# KiCad board Mainboard.kicad_pcb (continued)
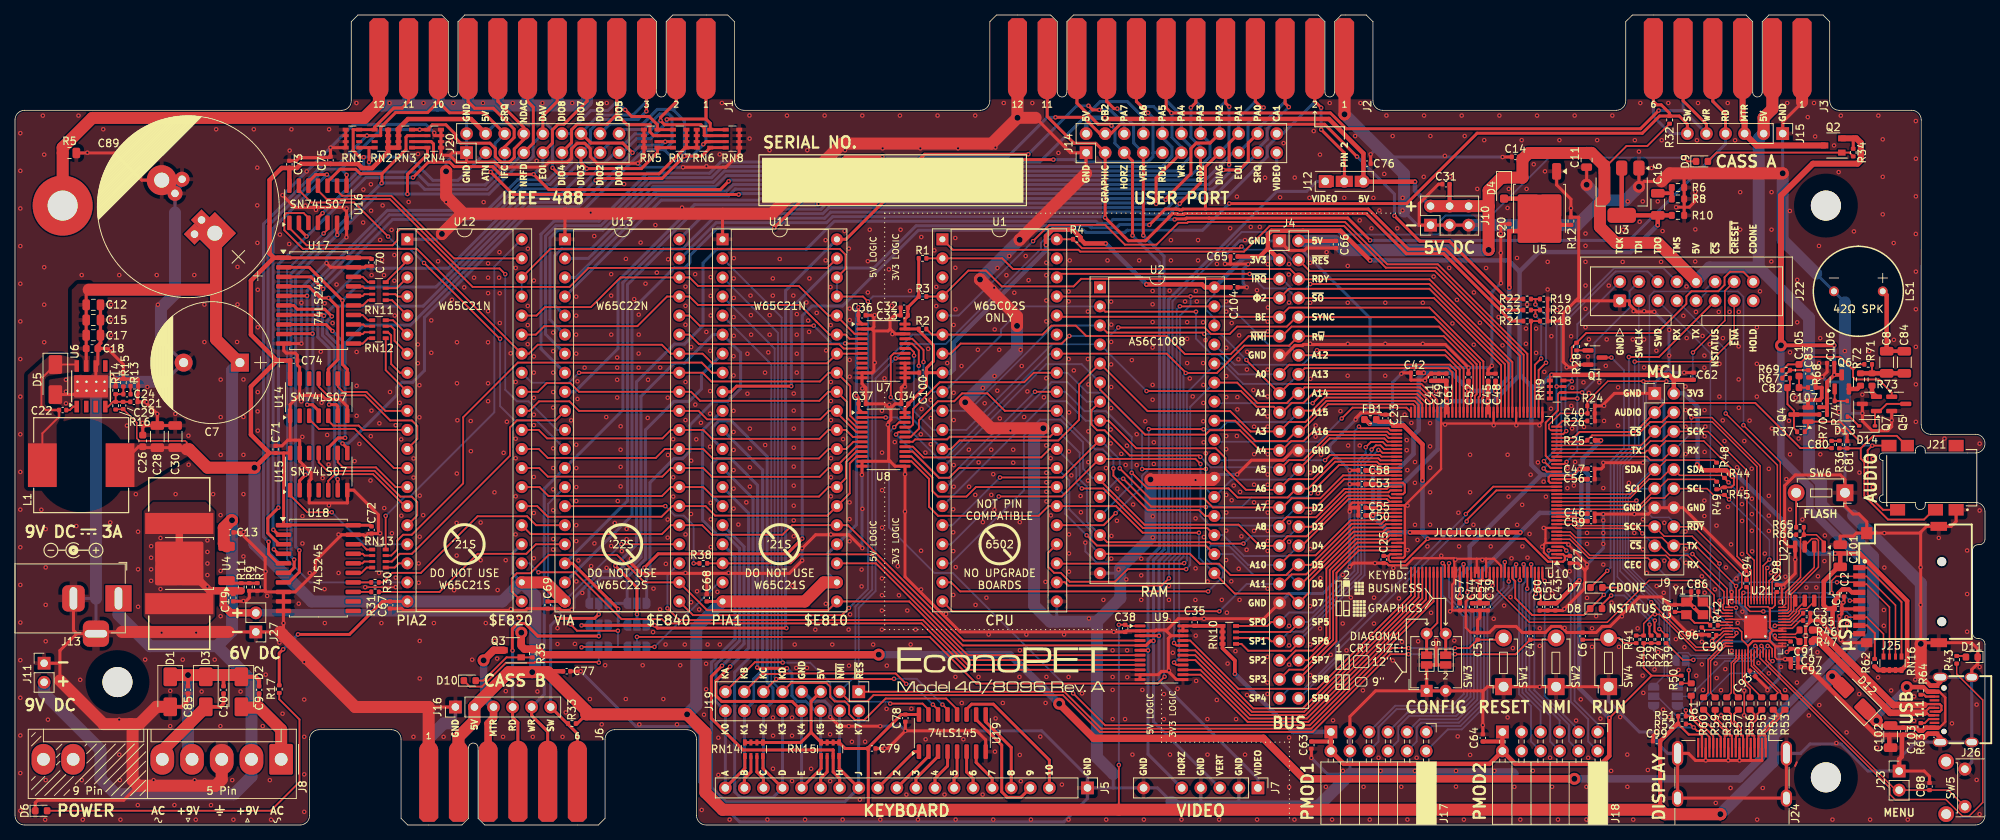
[diagram p0: board, top side]
## Nets (continued)
+3V3: C1.1 C2.1 C16.1 C32.1 C33.1 C34.1 C35.1 C41.1 C43.1 C45.1 C47.1 C49.1 C51.1 C53.1 C55.1 C57.1 C59.1 C60.1 C61.1 C62.1 C63.1 C64.1 C65.1 C92.1 C93.1 C94.1 C95.1 C96.1 C97.1 C98.1 C100.1 C101.1 C104.1 J4.3 J9.2 J17.6 J17.12 J18.6 J18.12 J25.4 R1.2 R2.1 R3.1 R4.1 R10.1 R25.2 R27.2 R29.2 R40.1 R44.1 R45.1 R48.1 R49.1 R50.1 R62.1 R66.1 RN9.5 RN9.6 RN9.7 RN9.8 RN10.5 RN10.6 RN10.7 RN10.8 RN16.5 RN16.6 RN16.7 RN16.8 U1.8 U2.30 U2.32 U3.2 U7.23 U7.24 U8.23 U8.24 U9.23 U9.24 U10.12 U10.21 U10.23 U10.51 U10.52 U10.62 U10.63 U10.88 U10.91 U10.95 U10.122 U10.143 U21.1 U21.10 U21.22 U21.33 U21.42 U21.43 U21.44 U21.48 U21.49 U22.8
+5V: C11.1 C14.2 C26.2 C28.2 C29.1 C30.2 C31.1 C36.1 C37.1 C38.1 C66.1 C67.1 C68.1 C69.1 C70.1 C71.1 C72.1 C73.1 C74.1 C75.1 C76.1 C77.1 C78.1 C79.1 C99.1 D4.1 D12.2 J3.2,B J4.2 J6.2,B J10.2 J10.4 J10.6 J12.3 J14.2 J15.2 J16.2 J19.5 J20.4 J22.10 J24.18 L1.2 R16.1 R17.1 R32.1 R33.1 R51.1 R52.1 RN2.5 RN2.6 RN2.7 RN2.8 RN3.5 RN3.6 RN3.7 RN3.8 RN6.5 RN6.6 RN6.7 RN6.8 RN7.5 RN7.6 RN7.7 RN7.8 RN14.5 RN14.6 RN14.7 RN14.8 RN15.5 RN15.6 RN15.7 RN15.8 U3.3 U5.3 U7.1 U8.1 U9.1 U11.20 U11.22 U11.24 U12.20 U12.22 U12.24 U13.20 U13.24 U14.14 U15.14 U16.14 U17.1 U17.20 U18.1 U18.20 U19.16
+6V: C19.1 C106.1 C107.1 HS1.1 J27.2 Q2.2 Q3.2 Q6.3 R11.1 R34.1 R35.1 R70.1 R74.1 U4.2
+9V_Unreg: C7.1 C12.1 C13.1 C15.1 C17.1 C18.1 C89.1 J8.2 J11.2 J13.1 U4.3 U6.7
/MAGIC/MCU/DVDD: C3.1 C90.1 C91.1 U21.23 U21.45 U21.50
/MAGIC/MCU/USB/VBUS: C102.1 C103.1 D12.1 J26.A4_B9 J26.A9_B4 R63.1 R64.1
/POWER/9V_UNFILT: C9.2 C10.1 C85.2 D1.1 D2.1 D3.1 J8.4
GND: C1.2 C2.2 C3.2 C4.2 C5.2 C6.2 C7.2 C11.2 C12.2 C13.2 C14.1 C15.2 C17.2 C18.2 C19.2 C20.2 C21.1 C23.2 C25.2 C26.1 C27.2 C28.1 C30.1 C31.2 C32.2 C33.2 C34.2 C35.2 C36.2 C37.2 C38.2 C39.2 C40.2 C41.2 C42.2 C43.2 C44.2 C45.2 C46.2 C47.2 C48.2 C49.2 C50.2 C51.2 C52.2 C53.2 C54.2 C55.2 C56.2 C57.2 C58.2 C59.2 C60.2 C61.2 C62.2 C63.2 C64.2 C65.2 C66.2 C67.2 C68.2 C69.2 C70.2 C71.2 C72.2 C73.2 C74.2 C75.2 C76.2 C77.2 C78.2 C79.2 C81.2 C83.2 C85.1 C86.1 C87.1 C88.2 C89.2 C90.2 C91.2 C92.2 C93.2 C94.2 C95.2 C96.2 C97.2 C98.2 C99.2 C100.2 C101.2 C102.2 C103.2 C104.2 C106.2 C107.2 D1.2 D5.2 D6.1 D11.1 J1.E J1.F J1.H J1.J J1.K J1.L J1.M J1.N J2.1 J2.12 J2.A J2.N J3.1,A J4.1 J4.13 J4.24 J4.39 J5.1 J6.1,A J7.2 J7.4 J7.7 J8.3 J9.1 J9.13 J9.14 J10.1 J10.3 J10.5 J11.1 J13.2 J13.3 J14.1 J15.1 J16.1 J17.5 J17.11 J18.5 J18.11 J19.7 J20.1 J20.2 J21.1 J22.1 J23.1 J24.2 J24.5 J24.8 J24.11 J24.17 J24.SH J25.6 J25.10 J26.A1_B12 J26.A12_B1 J26.S1 J27.1 LS1.2 Q1.2 Q4.2 Q5.2 Q7.3 R5.2 R6.1 R7.2 R8.1 R9.2 R10.2 R12.2 R13.2 R14.2 R15.2 R18.2 R19.2 R20.2 R24.2 R26.1 R68.1 RN1.1 RN1.2 RN1.3 RN1.4 RN4.1 RN4.2 RN4.3 RN4.4 RN5.1 RN5.2 RN5.3 RN5.4 RN8.1 RN8.2 RN8.3 RN8.4 SW1.1 SW2.1 SW3.1 SW3.2 SW4.1 SW5.1 SW6.1 U1.21 U2.16 U2.22 U3.1 U5.1 U6.6 U6.9 U7.2 U7.11 U7.12 U7.13 U7.14 U7.15 U7.16 U7.22 U8.11 U8.12 U8.13 U9.2 U9.11 U9.12 U9.13 U9.22 U10.1 U10.5 U10.9 U10.37 U10.44 U10.50 U10.64 U10.94 U10.104 U10.108 U10.120 U10.121 U10.126 U10.127 U10.129 U10.133 U11.1 U12.1 U13.1 U14.1 U14.7 U14.13 U15.3 U15.7 U15.13 U16.7 U17.10 U17.19 U18.8 U18.9 U18.10 U18.19 U19.8 U21.19 U21.57 U22.4 Y1.2 Y1.4
/CASS/CASS1_READ: J2.8 J14.9 JP3.1 JP4.3 U11.40
/CASS/CASS2_READ: J2.6 J14.13 JP3.3 JP4.1 U13.18
/CASS/CASS_A_MOTOR: J3.3,C J15.3 Q2.3
/CASS/CASS_A_READ: J3.4,D J15.4 JP3.2
/CASS/CASS_A_~{MOTOR}: D9.1 JP5.2
/CASS/CASS_A_~{SWITCH}: J3.6,F J15.6 JP1.2 R32.2
/CASS/CASS_B_MOTOR: J6.3,C J16.3 Q3.3
/CASS/CASS_B_READ: J6.4,D J16.4 JP4.2
/CASS/CASS_B_~{MOTOR}: D10.1 JP6.2
/CASS/CASS_B_~{SWITCH}: J6.6,F J16.6 JP2.2 R33.2
/CASS/CASS_WRITE: J2.7 J3.5,E J6.5,E J14.11 J15.5 J16.5 U13.13
/CASS/~{CASS1_MOTOR}: JP5.1 JP6.3 U11.19
/CASS/~{CASS1_SWITCH}: JP1.1 JP2.3 U11.6
/CASS/~{CASS2_MOTOR}: JP5.3 JP6.1 U13.14
/CASS/~{CASS2_SWITCH}: JP1.3 JP2.1 U11.7
/CPU \ RAM/A0: J4.15 U1.9 U2.2 U7.21 U10.60
/CPU \ RAM/A1: J4.17 U1.10 U2.3 U7.20 U10.65
/CPU \ RAM/A2: J4.19 U1.11 U2.4 U7.19 U10.67
/CPU \ RAM/A3: J4.21 U1.12 U2.5 U7.18 U10.70
/CPU \ RAM/A4: J4.23 U1.13 U2.6 U10.75
/CPU \ RAM/A5: J4.25 U1.14 U2.7 U10.76
/CPU \ RAM/A6: J4.27 U1.15 U2.8 U10.82
/CPU \ RAM/A7: J4.29 U1.16 U2.9 U10.86
/CPU \ RAM/A8: J4.31 U1.17 U2.10 U10.89
/CPU \ RAM/A9: J4.33 U1.18 U2.11 U10.92
/CPU \ RAM/A10: J4.35 U1.19 U10.97
/CPU \ RAM/A11: J4.37 U1.20 U10.99
/CPU \ RAM/A12: J4.14 U1.22 U2.31 U10.59
/CPU \ RAM/A13: J4.16 U1.23 U2.28 U10.61
/CPU \ RAM/A14: J4.18 U1.24 U2.27 U10.66
/CPU \ RAM/A15: J4.20 U1.25 U10.69
/CPU \ RAM/D0: J4.26 U1.33 U2.21 U8.21 U10.77
/CPU \ RAM/D1: J4.28 U1.32 U2.13 U8.20 U10.83
/CPU \ RAM/D2: J4.30 U1.31 U2.20 U8.19 U10.87
/CPU \ RAM/D3: J4.32 U1.30 U2.14 U8.18 U10.90
/CPU \ RAM/D4: J4.34 U1.29 U2.19 U8.17 U10.93
/CPU \ RAM/D5: J4.36 U1.28 U2.15 U8.16 U10.98
/CPU \ RAM/D6: J4.38 U1.27 U2.18 U8.15 U10.100
/CPU \ RAM/D7: J4.40 U1.26 U2.17 U8.14 U10.101
/CPU \ RAM/RAM_A10: U2.12 U10.84
/CPU \ RAM/RAM_A11: U2.23 U10.81
/CPU \ RAM/RAM_A15: U2.26 U10.68
/CPU \ RAM/RAM_A16: J4.22 U2.25 U10.71
/CPU \ RAM/~{ML}: U1.5 U10.41
/CPU \ RAM/~{NMI}: C4.1 J4.11 J19.3 R2.2 SW2.2 U1.6 U10.55
/CPU \ RAM/~{RAM_OE}: U2.24 U10.72
/CPU \ RAM/~{RAM_WE}: U2.29 U10.58
/CPU \ RAM/~{RES}: C5.1 J4.4 J19.1 R4.2 SW1.2 U1.40 U7.17 U10.43
/CPU \ RAM/~{VP}: U1.1 U10.42
/IEEE/ATN: J1.11 J20.3 RN1.8 RN2.1 U16.12 U18.2
/IEEE/ATN_IN: RN13.8 U12.40
/IEEE/ATN_OUT: U13.12 U16.13
/IEEE/DAV: J1.6 J20.10 RN3.1 RN4.8 U16.6 U18.7
/IEEE/DAV_IN: R31.2 U13.17
/IEEE/DAV_OUT: U12.19 U16.5
/IEEE/DIO1: J1.1 J20.17 RN6.4 RN8.5 U14.8 U17.2
/IEEE/DIO2: J1.2 J20.15 RN6.3 RN8.6 U14.6 U17.3
/IEEE/DIO3: J1.3 J20.13 RN5.5 RN7.4 U14.10 U17.4
/IEEE/DIO4: J1.4 J20.11 RN5.7 RN7.2 U14.4 U17.5
/IEEE/DIO5: J1.A J20.18 RN6.2 RN8.7 U15.8 U17.6
/IEEE/DIO6: J1.B J20.16 RN6.1 RN8.8 U15.6 U17.7
/IEEE/DIO7: J1.C J20.14 RN5.6 RN7.3 U15.10 U17.8
/IEEE/DIO8: J1.D J20.12 RN5.8 RN7.1 U15.2 U17.9
/IEEE/DIO_IN1: RN11.8 U12.2
/IEEE/DIO_IN2: RN11.7 U12.3
/IEEE/DIO_IN3: RN11.6 U12.4
/IEEE/DIO_IN4: RN11.5 U12.5
/IEEE/DIO_IN5: RN12.8 U12.6
/IEEE/DIO_IN6: RN12.7 U12.7
/IEEE/DIO_IN7: RN12.6 U12.8
/IEEE/DIO_IN8: RN12.5 U12.9
/IEEE/DIO_OUT1: U12.10 U14.9
/IEEE/DIO_OUT2: U12.11 U14.5
/IEEE/DIO_OUT3: U12.12 U14.11
/IEEE/DIO_OUT4: U12.13 U14.3
/IEEE/DIO_OUT5: U12.14 U15.9
/IEEE/DIO_OUT6: U12.15 U15.5
/IEEE/DIO_OUT7: U12.16 U15.11
/IEEE/DIO_OUT8: U12.17 U15.1
/IEEE/EOI: J1.5 J2.4 J14.17 J20.9 RN3.2 RN4.7 U16.2 U18.3
/IEEE/EOI_IN: RN13.7 U11.8
/IEEE/EOI_OUT: U11.39 U16.1
/IEEE/IFC: J1.9 J20.5 RN1.5 RN2.4 U16.4
/IEEE/IFC_OUT: U7.7 U11.34 U12.34 U13.34 U16.3
/IEEE/NDAC: J1.8 J20.8 RN3.4 RN4.5 U16.8 U18.4
/IEEE/NDAC_IN: RN13.6 U13.10
/IEEE/NDAC_OUT: U12.39 U16.9
/IEEE/NRFD: J1.7 J20.7 RN3.3 RN4.6 U16.10 U18.6
/IEEE/NRFD_IN: R30.2 U13.16
/IEEE/NRFD_OUT: U13.11 U16.11
/IEEE/SRQ: J1.10 J2.3 J14.19 J20.6 RN1.7 RN2.2 U18.5
/IEEE/SRQ_IN: RN13.5 U12.18
/IO/BA0: U7.3 U11.36 U12.36 U13.38
/IO/BA1: U7.4 U11.35 U12.35 U13.37
/IO/BA2: U7.5 U13.36
/IO/BA3: U7.6 U13.35
/IO/BD0: U8.3 U11.33 U12.33 U13.33
/IO/BD1: U8.4 U11.32 U12.32 U13.32
/IO/BD2: U8.5 U11.31 U12.31 U13.31
/IO/BD3: U8.6 U11.30 U12.30 U13.30
/IO/BD4: U8.7 U11.29 U12.29 U13.29
/IO/BD5: U8.8 U11.28 U12.28 U13.28
/IO/BD6: U8.9 U11.27 U12.27 U13.27
/IO/BD7: U8.10 U11.26 U12.26 U13.26
/IO/BPHI2: U9.4 U11.25 U12.25 U13.25
/IO/BR~{W}: U9.8 U11.21 U12.21 U13.22
/IO/BVERT: J2.9 J7.3 J14.7 R38.2 U9.5 U11.18
/IO/B~{PIA1_CS}: U9.7 U11.23
/IO/B~{PIA2_CS}: U9.10 U12.23
/IO/B~{VIA_CS}: U9.9 U13.23
/IO/DIAG: J2.5 J14.15 R23.2 U11.9
/IO/GRAPHIC: J2.11 J14.3 R21.2 U13.39
/IO/KEY_COL0: J5.20 J19.16 RN14.1 U11.10
/IO/KEY_COL1: J5.19 J19.14 RN14.2 U11.11
/IO/KEY_COL2: J5.18 J19.12 RN14.3 U11.12
/IO/KEY_COL3: J5.17 J19.10 RN14.4 U11.13
/IO/KEY_COL4: J5.16 J19.8 RN15.1 U11.14
/IO/KEY_COL5: J5.15 J19.6 RN15.2 U11.15
/IO/KEY_COL6: J5.14 J19.4 RN15.3 U11.16
/IO/KEY_COL7: J5.13 J19.2 RN15.4 U11.17
/IO/KEY_ROW0: J19.15 U11.2 U19.15
/IO/KEY_ROW1: J19.13 U11.3 U19.14
/IO/KEY_ROW2: J19.11 U11.4 U19.13
/IO/KEY_ROW3: J19.9 U11.5 U19.12
/IO/VIA_CA1: J2.B J14.22 U13.40
/IO/VIA_CB2: J2.M J14.4 R22.2 U13.19
/IO/VIA_PA0: J2.C J14.20 U13.2
/IO/VIA_PA1: J2.D J14.18 U13.3
/IO/VIA_PA2: J2.E J14.16 U13.4
/IO/VIA_PA3: J2.F J14.14 U13.5
/IO/VIA_PA4: J2.H J14.12 U13.6
/IO/VIA_PA5: J2.J J14.10 U13.7
/IO/VIA_PA6: J2.K J14.8 U13.8
/IO/VIA_PA7: J2.L J14.6 U13.9
/Keyboard/R0: J5.12 U19.1
/Keyboard/R1: J5.11 U19.2
/Keyboard/R2: J5.10 U19.3
/Keyboard/R3: J5.9 U19.4
/Keyboard/R4: J5.8 U19.5
/Keyboard/R5: J5.7 U19.6
/Keyboard/R6: J5.6 U19.7
/Keyboard/R7: J5.5 U19.9
/Keyboard/R8: J5.4 U19.10
/Keyboard/R9: J5.3 U19.11
/MAGIC/BHORIZ: J2.10 J7.5 J14.5 U9.6
/MAGIC/BVIDEO: J7.1 J12.1 J14.21 U9.3
/MAGIC/FPGA/AUDIO: C80.1 J9.3 U10.33
/MAGIC/FPGA/BE: J4.9 U1.36 U10.53
/MAGIC/FPGA/CBUS0: J4.42 RN10.3 U10.78
/MAGIC/FPGA/CBUS1: J4.43 RN10.2 U10.79
/MAGIC/FPGA/CBUS2: J4.44 RN10.1 U10.80
/MAGIC/FPGA/CDONE: J22.16 R28.2 RN9.4 U10.34
/MAGIC/FPGA/CEC: J9.19 JP7.1 U10.6 U21.36
/MAGIC/FPGA/CSI: J9.4 R25.1 U10.32
/MAGIC/FPGA/DIAG: R20.1 R23.1 U10.39
/MAGIC/FPGA/FPGA_CLK: U10.132 U21.18
/MAGIC/FPGA/GRAPHICS: R18.1 R21.1 U10.40
/MAGIC/FPGA/HOLD: J22.15
/MAGIC/FPGA/I2C0_SCL: J9.11 JP9.1 R49.2 U10.15
/MAGIC/FPGA/I2C0_SDA: J9.9 JP8.1 R48.2 U10.18
/MAGIC/FPGA/I2C1_SCL: J9.12 R45.2 U10.14 U21.5
/MAGIC/FPGA/I2C1_SDA: J9.10 R44.2 U10.17 U21.4
/MAGIC/FPGA/L12: J4.49 U10.20
/MAGIC/FPGA/L13: J4.50 U10.19
/MAGIC/FPGA/NSTATUS: D8.1 J22.11 U10.136
/MAGIC/FPGA/PMOD1_1: J17.1 U10.135
/MAGIC/FPGA/PMOD1_2: J17.2 U10.131
/MAGIC/FPGA/PMOD1_3: J17.3 U10.123
/MAGIC/FPGA/PMOD1_4: J17.4 U10.118
/MAGIC/FPGA/PMOD1_5: J17.7 U10.137
/MAGIC/FPGA/PMOD1_6: J17.8 U10.134
/MAGIC/FPGA/PMOD1_7: J17.9 U10.124
/MAGIC/FPGA/PMOD1_8: J17.10 U10.119
/MAGIC/FPGA/PMOD2_1: J18.1 U10.4
/MAGIC/FPGA/PMOD2_2: J18.2 U10.144
/MAGIC/FPGA/PMOD2_3: J18.3 U10.141
/MAGIC/FPGA/PMOD2_4: J18.4 U10.139
/MAGIC/FPGA/PMOD2_5: J18.7 U10.3
/MAGIC/FPGA/PMOD2_6: J18.8 U10.142
/MAGIC/FPGA/PMOD2_7: J18.9 U10.140
/MAGIC/FPGA/PMOD2_8: J18.10 U10.138
/MAGIC/FPGA/R94: J4.48 U10.106
/MAGIC/FPGA/R95: J4.47 U10.105
/MAGIC/FPGA/R104: J4.46 U10.103
/MAGIC/FPGA/R105: J4.45 U10.102
/MAGIC/FPGA/RDY: J4.6 R1.1 U1.2 U10.45
/MAGIC/FPGA/REF_RES: R26.2 U10.36
/MAGIC/FPGA/S1: SW3.4 U10.116
/MAGIC/FPGA/S2: SW3.3 U10.117
/MAGIC/FPGA/SPI0_RX: J9.8 U10.28 U21.6
/MAGIC/FPGA/SPI0_SCK: J9.6 U10.30 U21.8
/MAGIC/FPGA/SPI0_TX: J9.7 U10.29 U21.9
/MAGIC/FPGA/SPI0_~{CS}: J9.5 J22.12 U10.31 U21.7
/MAGIC/FPGA/SPI1_RX: J9.20 J25.7 RN16.4 U10.7 U21.15
/MAGIC/FPGA/SPI1_SCK: J9.15 J25.5 U10.11 U21.17
/MAGIC/FPGA/SPI1_TX: J9.18 J25.3 RN16.3 U10.8 U21.14
/MAGIC/FPGA/SPI1_~{CS}: J9.17 U10.10 U21.16
/MAGIC/FPGA/SPI1_~{READY}: J9.16 U10.16 U21.13
/MAGIC/FPGA/SWCLK: J22.3 U21.24
/MAGIC/FPGA/SWD: J22.5 U21.25
/MAGIC/FPGA/SYNC: J4.10 U1.7 U10.54
/MAGIC/FPGA/TCK: J22.2 RN9.1 U10.26
/MAGIC/FPGA/TDI: J22.4 RN9.2 U10.27
/MAGIC/FPGA/TDO: J22.6 U10.24
/MAGIC/FPGA/TMS: J22.8 RN9.3 U10.25
/MAGIC/FPGA/UART_RX: J22.7 U21.3
/MAGIC/FPGA/UART_TX: J22.9 U21.2
/MAGIC/FPGA/VIA_CB2: R19.1 R22.1 U10.38
/MAGIC/FPGA/~{CRESET}: C40.1 J22.14 R24.1 R39.2 U10.35
/MAGIC/FPGA/~{IRQ}: J4.5 R3.2 U1.4 U10.46 U11.37 U11.38 U12.37 U12.38 U13.21
/MAGIC/FPGA/~{SO}: J4.8 U1.38 U10.48
/MAGIC/FPGA/~{SPI_ENA}: J22.13 R40.2 R41.2 U21.26
/MAGIC/FPGA/~{TEST}: J4.41 RN10.4 U10.74
/MAGIC/HORIZ: U9.18 U10.111
/MAGIC/MCU/DVI/CEC: JP7.2 R50.2 R61.1
/MAGIC/MCU/DVI/DVI_CK+: R59.1 U21.28
/MAGIC/MCU/DVI/DVI_CK-: R60.1 U21.27
/MAGIC/MCU/DVI/DVI_D0+: R57.1 U21.30
/MAGIC/MCU/DVI/DVI_D0-: R58.1 U21.29
/MAGIC/MCU/DVI/DVI_D1+: R55.1 U21.32
/MAGIC/MCU/DVI/DVI_D1-: R56.1 U21.31
/MAGIC/MCU/DVI/DVI_D2+: R53.1 U21.35
/MAGIC/MCU/DVI/DVI_D2-: R54.1 U21.34
/MAGIC/MCU/DVI/HDMI_CEC: J24.13 R61.2
/MAGIC/MCU/DVI/HDMI_CK+: J24.10 R59.2
/MAGIC/MCU/DVI/HDMI_CK-: J24.12 R60.2
/MAGIC/MCU/DVI/HDMI_D0+: J24.7 R57.2
/MAGIC/MCU/DVI/HDMI_D0-: J24.9 R58.2
/MAGIC/MCU/DVI/HDMI_D1+: J24.4 R55.2
/MAGIC/MCU/DVI/HDMI_D1-: J24.6 R56.2
/MAGIC/MCU/DVI/HDMI_D2+: J24.1 R53.2
/MAGIC/MCU/DVI/HDMI_D2-: J24.3 R54.2
/MAGIC/MCU/DVI/SCL: J24.15 JP9.3 R51.2
/MAGIC/MCU/DVI/SDA: J24.16 JP8.3 R52.2
/MAGIC/MCU/Flash/SCK: U21.52 U22.6
/MAGIC/MCU/Flash/SD0: U21.53 U22.5
/MAGIC/MCU/Flash/SD1: U21.55 U22.2
/MAGIC/MCU/Flash/SD2: U21.54 U22.3
/MAGIC/MCU/Flash/SD3: U21.51 U22.7
/MAGIC/MCU/Flash/~{CS}: R65.2 R66.2 U21.56 U22.1
/MAGIC/MCU/GP25: R43.1 U21.37
/MAGIC/MCU/GP27: C88.1 J23.2 SW5.2 U21.39
/MAGIC/MCU/MCU_I2C0_SCL: JP9.2 U21.41
/MAGIC/MCU/MCU_I2C0_SDA: JP8.2 U21.40
/MAGIC/MCU/MCU_USB_D+: R46.1 U21.47
/MAGIC/MCU/MCU_USB_D-: R47.1 U21.46
/MAGIC/MCU/MCU_~{CRESET}: R39.1 U21.38
/MAGIC/MCU/SD_DETECT: J25.9 U21.11
/MAGIC/MCU/SD_~{CS}: J25.2 RN16.2 U21.12
/MAGIC/MCU/USB/CC1: J26.A5 R63.2
/MAGIC/MCU/USB/CC2: J26.B5 R64.2
/MAGIC/MCU/USB/USB_D+: J26.A6 J26.B6 R46.2
/MAGIC/MCU/USB/USB_D-: J26.A7 J26.B7 R47.2
/MAGIC/MCU/XIN: C86.2 U21.20 Y1.1
/MAGIC/MCU/XOUT: R42.2 U21.21
/MAGIC/PHI2: J4.7 U1.37 U9.20 U10.47
/MAGIC/R~{W}: J4.12 U1.34 U8.2 U9.16 U10.56
/MAGIC/VERT: U9.19 U10.110
/MAGIC/VIDEO: U9.21 U10.109
/MAGIC/~{IO_OE}: U8.22 U10.115
/MAGIC/~{PIA1_CS}: U9.17 U10.112
/MAGIC/~{PIA2_CS}: U9.14 U10.114
/MAGIC/~{VIA_CS}: U9.15 U10.113
/POWER/PH: C22.2 D5.1 L1.1 U6.8
/POWER/VAC1: C9.1 D2.2 J8.1
/POWER/VAC2: C10.2 D3.2 J8.5
/USER/VIDEO_OR_5V: J2.2 J12.2
CHASSIS_GND: H1.1 J1.12 R5.1
FPGA_VCCA: C23.1 C25.1 C27.1 FB1.1 U10.2 U10.73 U10.107
Net-(C6-Pad1): C6.1 R41.1 SW4.2
Net-(C8-Pad1): C8.1 C84.1 R71.1 R72.2 R73.1
Net-(C8-Pad2): C8.2 C84.2 LS1.1
Net-(C16-Pad2): C16.2 R6.2 R8.2
Net-(C24-Pad1): C24.1 R13.1
Net-(C80-Pad2): C80.2 R36.1
Net-(C81-Pad1): C81.1 J21.2 J21.3 R36.2
Net-(C83-Pad1): C83.1 R67.2 R69.1
Net-(C87-Pad2): C87.2 R42.1 Y1.3
Net-(C105-Pad2): C82.2 C105.2 R68.2
Net-(D6-A): D6.2 R17.2
Net-(D7-A): D7.2 R27.1
Net-(D7-K): D7.1 Q1.3
Net-(D8-A): D8.2 R29.1
Net-(D9-A): D9.2 Q2.1 R34.2
Net-(D10-A): D10.2 Q3.1 R35.2
Net-(D11-A): D11.2 R43.2
Net-(D13-A): D13.2 Q6.1 R74.2
Net-(D13-K): D13.1 D14.2
Net-(D14-K): D14.1 Q5.3 Q7.1
Net-(J25-DAT1): J25.8 R62.2
Net-(J25-DAT2): J25.1 RN16.1
Net-(Q1-B): Q1.1 R28.1
Net-(Q4-B): J21.5 J21.6 Q4.1 R37.1
Net-(Q4-C): C82.1 Q4.3 R37.2 R67.1 R70.2
Net-(Q5-B): C105.1 Q5.1 R69.2 R71.2
Net-(Q6-E): Q6.2 R72.1
Net-(Q7-E): Q7.2 R73.2
Net-(R65-Pad1): R65.1 SW6.2
Net-(RN11-R1.1): RN11.1 U17.18
Net-(RN11-R2.1): RN11.2 U17.17
Net-(RN11-R3.1): RN11.3 U17.16
Net-(RN11-R4.1): RN11.4 U17.15
Net-(RN12-R1.1): RN12.1 U17.14
Net-(RN12-R2.1): RN12.2 U17.13
Net-(RN12-R3.1): RN12.3 U17.12
Net-(RN12-R4.1): RN12.4 U17.11
Net-(RN13-R1.1): RN13.1 U18.18
Net-(RN13-R2.1): RN13.2 U18.17
Net-(RN13-R3.1): RN13.3 U18.16
Net-(RN13-R4.1): RN13.4 U18.15
Net-(U4-ADJ): R7.1 R9.1 R11.2 U4.1
Net-(U6-BOOT): C22.1 U6.1
Net-(U6-VSENSE): C21.2 C24.2 C29.2 R14.1 R15.1 R16.2 U6.4
Net-(U13-PB5): R38.1 U13.15
Net-(U18-B4): R30.1 U18.14
Net-(U18-B5): R31.1 U18.13

Pads without a net: J8 8 9; J21 4; J24 14 19; J26 A8 B8; RN1 6; RN2 3; U1 3 35 39; U2 1; U6 2 3 5; U7 8 9 10; U14 2 12; U15 4 12; U18 11 12

## Via types
v1: diameter 0.6, hole 0.3, Top to Bottom, 1774 vias
v2: diameter 1.6, hole 0.8, Top to Bottom, 30 vias

## Routing (per net, layer and track width the routed paths; a pad name or vN(x,y) marks a point on that pad's centre or on a via; arc(x,y) is an arc through that point)
+1V2: length 153.4
  Top w0.28: v1(208.78,41.49) 208.68,41.59 U10.13 ; v1(180.94,47.25) 181.11,47.09 184.1,47.09 ; 197.52,55.01 197.52,57.56 v1(197.23,57.85) ; v1(180.96,41.27) 181.28,41.59 184.1,41.59 ; v1(208.72,46.02) 208.66,46.09 205.44,46.09
  Top w0.3: U10.128 195.52,32.84 195.28,32.59 ; 195.28,32.59 196.28,32.59 196.52,32.84 U10.130 ; 195.28,32.59 194.23,32.59 194.02,32.8 U10.125 ; v1(193.67,58.03) 193.52,57.88 193.52,55.01
  Top w0.54: R12.1 205.5,79.98 U5.2
  Top w0.56: v1(208.78,41.49) 208.79,41.48 C46.1 ; C54.1 C39.1 ; C54.1 C44.1 ; C54.1 195.18,29.57 v1(195.18,31.88) 195.18,32.46
  Top w0.6: FB1.2 179.96,54.04 v1(180.5,53.49) ; v1(180.94,47.25) 180.91,47.22 180.01,47.22 C58.1 ; C56.1 208.79,46.09 v1(208.72,46.02) ; v1(200.57,39) 200.57,39 v1(185.89,39) ; C50.1 180.96,41.27 v1(180.96,41.27) ; D4.2 200.63,83.48 U5.2 ; C52.1 193.67,58.04 v1(193.67,58.03) ; C48.1 197.28,57.89 v1(197.23,57.85) ; v1(199.11,71.64) 199.11,71.65 C20.1 U5.2 ; C42.1 v1(187.72,60.26)
  Bottom w0.6: v1(199.11,71.64) 199.11,59.73 v1(197.23,57.85) 193.86,57.85 v1(193.67,58.03) 191.44,60.26 v1(187.72,60.26) 187.05,59.59 187.05,52.65 186.35,51.95 ; 186.35,51.95 186.35,49.45 184.15,47.25 v1(180.94,47.25) 180.96,47.24 v1(180.96,41.27) 180.96,41.13 183.09,39 v1(185.89,39) ; 186.35,51.95 184.8,53.49 v1(180.5,53.49) ; v1(195.18,31.88) 195.18,33.6 v1(200.57,39) 203.17,41.59 208.68,41.59 v1(208.78,41.49) 208.72,41.55 v1(208.72,46.02)
+3V3: length 616.7
  Top w0.2: C93.1 230.94,20.76 U21.33 230.94,23.86 230.09,24.71 230.09,25.74 229.61,26.21 U21.22 227.49,26.21 227.28,26 225.1,26 C96.1 ; C98.1 234.54,30.82 U21.1 234.54,29.28 234.15,28.89 233.89,28.89 233.84,28.84 233.61,29.07 231.15,29.07 230.94,29.28 U21.10 230.94,31.49 C94.1 ; v1(235.88,22.1) 234.79,22.1 234.54,22.35 234.54,23.81 ; U21.42 234.54,23.81 ; 234.54,23.81 234.54,23.81 234.54,23.81 ; U21.44 U21.43 ; C95.1 237.87,27.25 236.83,26.21 U21.49 U21.48
  Top w0.25: R27.2 R29.2 R40.1 217.02,20.97 218.09,19.9 ; 218.09,19.9 222.03,19.9 R50.1 ; 218.09,19.9 v1(212.44,14.25) ; 184.1,42.09 181.91,42.09 v1(181.77,42.23) ; RN9.8 RN9.7 RN9.6 RN9.5 204.52,59.77 v1(204.74,59.99) ; R49.1 227.13,44.74 227.4,45 R45.1 228.7,45 229.04,45.35 229.04,46.22 v1(228.81,46.45) ; R66.1 236.6,38.68 v1(236.56,38.64)
  Top w0.28: v1(208.47,47.46) 207.6,46.59 204.59,46.59 204.36,46.35 204.36,45.83 204.59,45.59 205.44,45.59 ; 191.02,55.01 190.52,55.01 ; v1(181.76,45.44) 182.71,45.44 182.86,45.59 184.95,45.59 185.19,45.35 185.19,44.33 184.95,44.09 184.1,44.09 ; 196.52,55.01 196.02,55.01
  Top w0.3: U10.143 203.02,31.4 203.3,31.12 203.3,29.68 C60.1 ; U21.43 234.54,23.81 233.84,24.51 ; v1(208.25,40.73) 207.89,41.09 205.44,41.09 ; 234.23,25.91 235.38,25.91 235.49,26.02 ; 234.23,25.91 233.84,26.3 233.84,28.84 ; 234.23,25.91 233.84,25.52 233.84,24.51 ; 192.52,33.67 v1(192.52,30.47) ; 233.84,24.51 231.59,24.51 230.94,23.86
  Top w0.4: U8.24 118.59,55.55 119.05,56.01 C34.1 121.45,58.53 C100.1 ; C100.1 121.45,60.89 122.38,61.82 122.38,63.94 120.42,65.9 R2.1 U7.23 ; C100.1 U1.8 ; R1.2 R3.1 118.97,68.98 C32.1 118.97,68.94 C33.1 118.97,67.81 118.59,67.43 U7.24 118.59,66.15
  Top w0.401: U8.24 U8.23 ; U9.23 U9.24 C35.1
  Top w0.5: C35.1 RN10.5 RN10.6 RN10.7 RN10.8 160.9,23.56 162.55,21.91 v1(162.55,20.15) ; v1(181.77,42.23) 180.02,42.23 C55.1
  Top w0.56: C1.1 242.47,29.93 242.93,30.39 242.93,30.84 243.49,31.4 C2.1 244.37,31.4 244.77,31 J25.4 ; 175.34,11.14 175.33,11.13 C63.1 ; C59.1 208.48,40.5 v1(208.25,40.73) ; C64.1 198.19,11.13 198.2,11.14 ; C92.1 C97.1 v1(235.88,22.1) ; 221.04,59.33 C62.1 ; C65.1 165.87,75.77 166.95,76.85 ; v1(208.45,32.59) 205.41,29.55 C43.1 C51.1 C60.1
  Top w0.6: v1(211.33,51.25) 210.55,51.25 R25.2 ; J18.12 J18.6 ; J18.12 199.91,8.15 211.37,8.15 212.44,9.22 v1(212.44,14.25) ; J18.12 196.49,8.15 177.05,8.15 J17.12 J17.6 ; v1(208.47,47.46) 208.47,47.46 C47.1 ; C16.1 R10.1 ; C16.1 218.9,79.96 v1(218.89,79.95) ; C16.1 214.09,81.25 U3.2 U3.2 ; v1(242.2,26.47) 242.2,28.84 242.2,28.84 241.47,28.84 241.02,29.29 U22.8 241.02,32.47 242.94,34.4 C101.1 243.21,36.17 243.19,36.19 ; v1(192.52,30.47) C57.1 ; 243.19,36.19 v1(242.56,36.19) ; 243.19,36.19 245.8,36.19 252.13,29.85 252.13,21.41 RN16.8 RN16.7 RN16.6 RN16.5 248.26,20.65 R62.1 ; v1(204.74,59.99) 220.38,59.99 221.04,59.33 J9.2 ; 190.77,55.01 190.77,56.51 v1(190.79,56.49) 190.72,56.56 C61.1 C49.1 C41.1 ; v1(224.14,48.03) 224.89,47.28 R48.1 227.99,47.28 228.81,46.46 v1(228.81,46.45) ; v1(150.77,72.04) 150.78,72.04 158.17,72.04 158.56,71.66 U2.32 161.96,71.66 ; 196.28,55.01 196.28,56.46 v1(196.25,56.49) 196.3,56.54 C45.1 ; C53.1 179.97,45.44 v1(181.76,45.44) ; v1(137.38,77.3) 137.38,78.47 138.26,79.36 140.91,79.36 142,78.27 R4.1 142.55,77.5 v1(145.33,77.5) ; J4.3 168.49,75.31 166.95,76.85 166.95,78.71 167.43,79.2 171.6,79.2 171.6,79.19 176.61,79.19 v1(180.56,75.24)
  Bottom w0.25: U2.30 159.82,67.53 159.36,67.99 159.35,67.99 158.69,68.65 158.69,69.58 159.82,70.71 U2.32
  Bottom w0.6: 200.48,60.05 200.48,59.96 197,56.49 v1(196.25,56.49) v1(190.79,56.49) 189.56,55.26 189.56,50.05 184.95,45.44 v1(181.76,45.44) 181.76,42.24 v1(181.77,42.23) ; 200.48,60.05 202.14,58.39 ; 200.48,60.05 200.48,73.77 ; v1(162.55,20.15) 170.3,12.4 J17.6 ; v1(242.2,26.47) 237.84,22.12 235.88,22.12 ; 192.53,30.47 192.53,33.12 193.84,34.43 193.84,37.13 203.39,46.68 ; v1(145.33,77.5) 145.33,77.49 v1(150.77,72.04) ; 203.39,46.68 202.07,48 202.07,58.32 202.14,58.39 ; 203.39,46.68 207.69,46.68 v1(208.47,47.46) 208.47,47.46 208.89,47.46 ; v1(137.38,77.3) 137.38,76.59 125.11,64.32 125.11,60.76 124.62,60.28 U1.8 ; 208.89,47.46 209.61,46.74 209.61,41.08 209.11,40.58 208.4,40.58 v1(208.25,40.73) 208.45,40.53 v1(208.45,32.59) 208.45,18.24 v1(212.44,14.25) ; 208.89,47.46 208.89,48.81 v1(211.33,51.25) ; 202.14,58.39 203.14,58.39 v1(204.74,59.99) ; v1(180.56,75.24) 199.01,75.24 200.48,73.77 ; J4.3 168.22,75.58 163.74,75.58 U2.32 ; v1(228.81,46.45) 229.67,46.45 236.56,39.56 v1(236.56,38.64) 239.03,36.17 242.54,36.17 v1(242.56,36.19) ; 200.48,73.77 203.07,76.36 215.3,76.36 v1(218.89,79.95) ; v1(224.14,48.03) 224.2,48.09 224.2,55.71 222.39,57.53 J9.2
+5V: length 978.7
  Top w0.2: R16.1 13.44,55.4 14.38,55.4 C29.1 16.23,53.61 16.23,51.52 16.56,51.19 22.69,51.19 22.88,51 22.88,50.06
  Top w0.25: v1(147.09,26.68) 147.09,26.69 C38.1 148.08,26.53 U9.1 ; v1(147.09,7.99) 147.09,2.04 147.08,2.03 ; v1(80.8,37.43) 80.82,37.41 U13.24 ; R52.1 R51.1 ; U3.3 214.73,90.49 217.5,90.49 R32.1
  Top w0.3: R52.1 223.02,12.06 224.63,12.06 224.79,11.9 J24.18
  Top w0.4: 106.08,12.35 107.42,11.01 RN15.8 RN15.7 RN15.6 RN15.5 110.62,10.2 C79.1 ; 106.08,12.35 104.72,11 RN14.5 RN14.6 RN14.7 RN14.8 ; 106.08,12.35 106.08,16.49 J19.5 ; 76.14,14.74 74.91,13.52 R33.1 ; 22.88,50.06 22.65,50.29 C30.2 18.97,50.29 C28.2 17.14,50.29 C26.2 16.46,50.41 L1.2 ; C70.1 47.35,75.59 U17.20 35.82,75.59 U17.1 ; C72.1 47.35,39.95 U18.20 45.04,39.98 35.8,39.98 ; 89.47,92.67 RN7.6 RN7.5 ; 35.8,39.98 35.8,49.58 ; 35.8,39.98 U18.1 ; 35.8,49.58 C71.1 33.88,49.58 33.88,49.58 ; 35.8,49.58 U15.14 ; 90.84,92.67 RN6.7 RN6.8 RN7.5 ; R17.1 35.21,22.9 v1(35.73,23.42) ; v1(71.63,87.59) 72.43,86.78 85.82,86.78 89.32,90.27 RN7.5 ; C79.1 113.7,10.31 118.11,14.72 C78.1 U19.16 ; C79.1 113.7,2.03 ; v1(37.71,25.4) 44.57,25.4 48.96,29.79 C67.1 52.28,29.79 U12.20 ; C69.1 U13.20 ; U11.20 C68.1 ; U7.1 112.39,67.23 C36.1 112.39,67.93 v1(112.39,69.01) ; v1(112.12,57.22) 112.41,56.93 C37.1 112.41,55.42 U8.1
  Top w0.5: C14.2 200.41,87.57 U5.3
  Top w0.54: C99.1 221.5,13.46 R52.1
  Top w0.56: C66.1 J4.2 ; 219.22,2.03 C99.1 ; C31.1 J10.4
  Top w0.6: 34.9,61.89 C74.1 U14.14 ; 34.9,61.89 31.44,58.43 31.44,52.02 33.88,49.58 31.91,47.62 v2(31.91,47.62) ; 34.9,61.89 31.44,65.35 31.44,72.55 34.48,75.59 ; v1(186.55,85.73) 179.74,85.73 179.68,85.79 C76.1 179.68,89.5 175.09,94.09 145.38,94.09 v1(145.23,94.24) ; RN2.5 49.72,89.67 47.6,87.55 46.24,87.55 45.69,88.09 42.05,88.09 C75.1 38.11,88.11 37.56,87.56 C73.1 ; RN2.5 RN2.6 49.72,92.67 ; RN2.5 RN3.8 RN3.7 51.1,92.82 52.36,94.08 60.77,94.08 J20.4 ; C73.1 U16.14 ; C73.1 35.53,87.56 33.92,85.95 33.92,76.15 34.48,75.59 ; C77.1 69.04,20.49 v2(68.92,20.37) ; 34.48,75.59 U17.1
  Top w1.6: 22.88,50.06 23.22,50.06 25.66,47.62 v2(31.91,47.62) ; 211.72,87.91 210.06,89.57 C11.1 209.41,89.56 201.71,89.56 200.86,88.71 200.86,86.28 200.86,86.28 D4.1 198.06,86.28 196.36,84.57 196.36,82.47 ; U11.22 107.78,32.33 105.24,29.79 U11.20 ; J6.2,B 59.09,11.74 61.22,13.87 J16.2 61.22,15.8 65.79,20.37 v2(68.92,20.37) 70.98,20.37 76.14,15.22 76.14,14.74 v2(89.55,14.74) 91.99,12.31 91.99,4.32 94.28,2.03 219.22,2.03 219.81,1.43 227.23,1.43 v2(227.24,1.44) ; v2(242.13,19.83) D12.2 ; J10.2 J10.4 J10.6 196.35,82.48 196.36,82.47 ; U12.22 70.73,32.33 73.27,29.79 U13.20 ; 196.36,82.47 v2(196.36,76.64) ; J22.10 224,72.52 218.92,77.59 213.31,77.59 211.19,79.71 211.19,82.86 211.79,83.46 U3.3 ; J3.2,B 234.16,95.42 233,94.26 J15.2
  Bottom w0.25: v1(80.8,37.43) 73.28,29.91 U13.20 ; v1(147.09,26.68) v1(147.09,7.99)
  Bottom w0.4: v1(71.63,87.59) 71.62,87.6 71.62,92.64 70.84,93.42 64,93.42 J20.4 ; U11.22 108.32,33.53 108.32,36.21 U11.24 112.12,40.01 v1(112.12,57.22) 112.12,68.74 v1(112.39,69.01) ; U12.22 66.32,33.53 66.32,36.21 U12.24 ; v1(37.71,25.4) v1(35.73,23.42)
  Bottom w0.6: J14.2 142.72,93.34 143.62,94.24 v1(145.23,94.24) ; J10.2 186.55,84.55 v1(186.55,85.73)
  Bottom w1.6: J4.2 175.83,77.85 177.06,76.62 196.33,76.62 v2(196.36,76.64) ; J6.2,B 59.09,11.74 61.22,13.87 61.22,15.72 J16.2 ; v2(89.55,14.74) 90.78,15.97 90.78,26.29 U11.20 ; v2(31.91,47.62) 31.91,37.42 39.54,29.79 U12.20 64.92,29.79 67.46,32.33 U12.22 67.52,32.33 69.32,30.54 69.32,20.77 v2(68.92,20.37) ; 232.35,74.31 225.78,74.31 224,72.52 J22.10 ; 232.35,74.31 232.35,91.49 J15.2 233,94.26 234.16,95.42 J3.2,B ; 232.35,74.31 239.06,67.6 239.06,47.26 240.66,45.66 240.66,42.7 247.59,35.77 247.59,25.29 v2(242.13,19.83) 234.24,11.94 234.24,8.42 227.26,1.44 v2(227.24,1.44)
+6V: length 358.6
  Top w0.4: C19.1 29.09,31.18 29.12,31.21 ; R34.1 244.94,91.48 244.98,91.51
  Top w0.5: v1(242.42,59.99) 241.45,59.02 R74.1 241.45,55.68 ; v1(242.42,59.99) Q6.3 ; v1(242.42,59.99) C106.1 ; 241.45,55.68 R70.1 ; 241.45,55.68 C107.1 ; v2(235.31,63.92) 235.32,63.92 v1(242.42,63.92)
  Top w0.8: Q2.2 244.98,91.51 245.36,91.51 245.96,90.91 245.96,88.58 245.51,88.13 239.57,88.13 235.31,83.88 v2(235.31,63.92)
  Top w1: v2(115.09,22.7) 115.08,22.69 70.42,22.69 69.67,23.44 68.86,23.44 ; 27.76,31.21 25.95,31.21 22.31,34.85 U4.2 HS1.1 ; 27.76,31.21 27.76,29.27 28.76,28.27 J27.2 ; 27.76,31.21 R11.1 ; 68.86,23.44 R35.1 ; 68.86,23.44 67.89,23.44 67.45,23.88 Q3.2 67.45,25.62 v2(67.47,25.64) ; v2(139.14,16.16) 143.75,11.55 166.34,11.55 171.74,6.15 v2(207.79,6.15)
  Bottom w0.5: v1(242.42,59.99) v1(242.42,63.92)
  Bottom w1: v2(115.09,22.7) 132.6,22.7 v2(139.14,16.16) ; v2(235.31,63.92) 235.31,48.89 239.16,45.04 239.16,42.07 246.09,35.15 246.09,25.92 232.74,12.57 232.74,9.05 229.84,6.15 v2(207.79,6.15) ; J27.2 32.1,28.28 64.83,28.28 v2(67.47,25.64)
  vias: v1(18.14,37.16) v1(18.14,35.62) v1(18.14,34.08) v1(18.14,32.54) v1(19.39,38.25) v1(19.39,31.45) v1(25.64,37.93) v1(25.64,36.39) v1(25.64,34.85) v1(25.64,33.31) v1(25.64,31.77)
+9V_Unreg: length 169.5
  Top w0.4: C13.1 28.17,39.26 27.82,39.61 ; 9.82,71.34 9.49,71.01 C12.1 C15.1 C17.1 C18.1 9.49,63.5 U6.7
  Top w1.6: 26.79,71.02 26.79,64.72 29.89,61.62 C7.1 ; 26.79,71.02 26.79,78.7 C89.1 ; 26.79,71.02 26.47,71.34 9.82,71.34 ; C89.1 C89.1 ; C89.1 24.04,78.87 C89.1 ; U4.3 27.82,37.5 27.82,39.61 28.82,40.61 v2(28.92,40.61)
  Bottom w1.6: 26.91,23.83 31.51,19.23 J8.2 31.51,6.45 29.15,4.09 13.46,4.09 11.39,6.17 11.39,10.04 3.88,17.55 J11.2 ; 26.91,23.83 17.99,23.83 13.79,28.03 J13.1 ; 26.91,23.83 28.92,25.84 v2(28.92,40.61) 28.92,60.57 C7.1
/MAGIC/MCU/DVDD: length 20.3
  Top w0.2: v1(234.5,26.56) 234.55,26.61 U21.50 236.65,26.61 238.26,28.22 C3.1 ; 234.76,24.67 234.81,24.61 U21.45 236.43,24.61 C91.1 ; C90.1 227.13,25.29 227.66,25.81 U21.23
  Top w0.3: C90.1 226.69,25.1 v1(226.11,24.52) ; v1(234.5,25.22) 234.5,24.93 234.76,24.67
  Bottom w0.3: 233.75,25.81 232.2,25.81 230.83,24.44 226.2,24.44 v1(226.11,24.52) ; 233.75,25.81 234.34,25.22 v1(234.5,25.22) ; 233.75,25.81 v1(234.5,26.56)
/MAGIC/MCU/USB/VBUS: length 27.5
  Top w0.312: J26.A4_B9 256.42,12.96 257.2,13.74 257.2,16.99 256.42,17.76 J26.A9_B4
  Top w0.6: J26.A9_B4 254.89,17.76 254.27,18.38 R64.1 v2(252.08,18.38) ; J26.A4_B9 254.74,12.96 254.73,12.96 254.54,12.96 254.15,12.56 R63.1 253.75,12.56 253.34,12.97 C103.1 250.21,12.97 C102.1 248.69,13.26 v2(248.04,13.91)
  Top w1.6: D12.1 248.04,13.92 v2(248.04,13.91)
  Bottom w0.9: v2(252.08,18.38) 248.04,14.33 v2(248.04,13.91)
/POWER/9V_UNFILT: length 27.4
  Top w0.5: C10.1 27.79,19.98 27.8,19.99 ; C85.2 v2(23.05,19.98)
  Top w0.56: 30.39,19.75 32.09,19.75 32.52,19.32 C9.2
  Top w1.6: D2.1 29.91,19.99 25.66,19.99 D3.1 25.19,19.98 v2(23.05,19.98) 20.92,19.98 D1.1
  Bottom w1.6: v2(23.05,19.98) 23.05,9.29 J8.4
GND: length 2371.4
  Top w0.2: v1(230.42,17.9) v1(230.42,14.61) ; v1(46.66,31.7) v1(50.73,31.7) ; U21.19 230.94,27.41 U21.57
  Top w0.28: 205.44,35.59 204.46,35.59 203.72,36.33 203.72,37.38 203.72,37.38 203.93,37.59 ; v1(194.21,30.44) 193.97,30.44 193.32,29.79 193.32,28.59 ; v1(209.47,34.71) 209.47,34.86 206.74,37.59 U10.5
  Top w0.3: 197.02,55.01 197.02,53.5 ; 197.02,53.5 190.02,53.5 ; 197.02,53.5 200.02,53.5 ; 205.44,39.59 203.93,39.59 203.93,37.59 205.44,37.59 ; 200.02,55.01 200.02,53.5 ; 200.02,53.5 203.22,53.5 203.52,53.81 203.52,55.01 ; v1(191.93,35.36) 191.74,35.56 186.34,35.56 185.39,34.61 183.04,34.61 182.75,34.9 C25.2 ; v1(191.93,35.36) 191.79,35.21 191.79,33.65 ; v1(191.93,35.36) 192.06,35.48 194.78,35.48 ; 185.2,37.58 185.2,42.57 185.18,42.59 ; 185.2,37.58 185.2,35.84 184.95,35.59 U10.108 ; 185.2,37.58 185.19,37.59 U10.104 ; 194.2,28.59 193.32,28.59 ; 193.32,28.59 191.51,28.59 191.51,32.04 191.79,32.32 191.79,33.65 ; 193.32,28.59 193.32,26.3 193.97,25.65 C5.2 ; 196.02,35.48 197.08,35.48 198.02,34.53 198.02,33.67 ; 196.02,35.48 196.02,35.48 196.02,33.67 ; 196.02,35.48 194.78,35.48 ; 185.18,42.59 182.35,42.59 181.98,42.96 179,42.96 ; 185.18,42.59 190.02,47.44 190.02,53.5 ; 194.78,33.67 194.78,35.48 ; 194.78,33.67 194.52,33.67 ; 194.78,33.67 195.02,33.67 ; 191.79,33.65 191.77,33.67 ; 191.77,33.67 191.52,33.67 ; 191.77,33.67 192.02,33.67 ; 179,42.96 178.2,42.96 177.85,42.61 v1(177.85,41.77) ; 179,42.96 C55.2 ; 190.02,53.5 190.02,55.01 ; J24.17 v1(225.29,8.6) ; v1(235.23,29.72) 235.43,29.91 235.43,31.83 235.25,32 C98.2 ; J24.8 v1(229.79,8.6) ; J24.2 232.79,8.6 ; J24.11 v1(228.29,8.6) ; J24.5 231.29,8.6